# KiCad board SimulTypeUltra.kicad_pcb (continued)
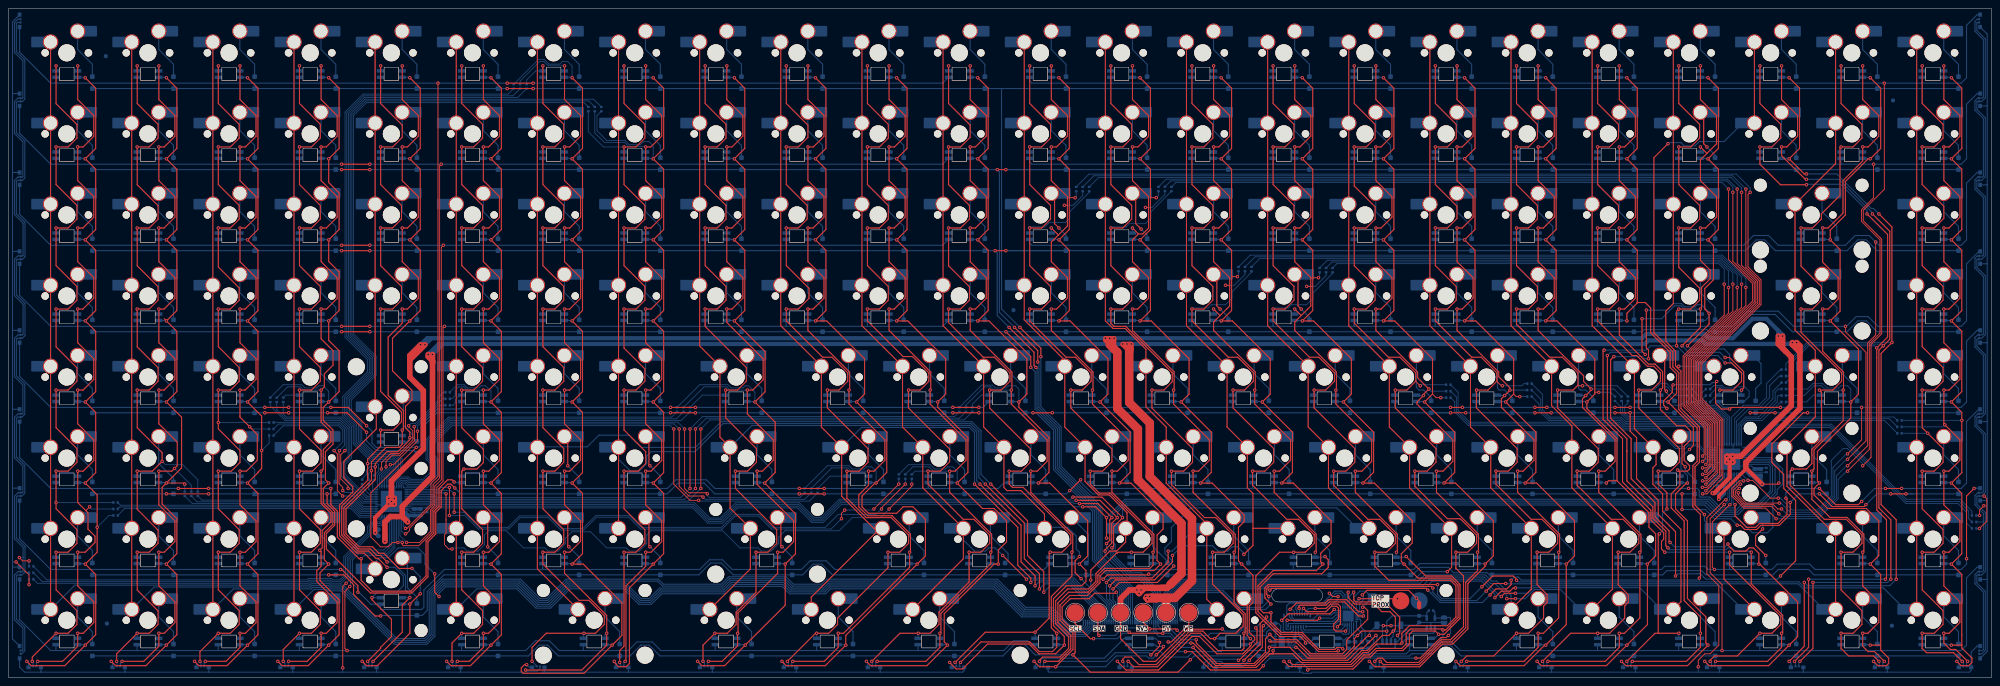
[diagram p0: board, top side]
## Placement (name value [footprint] x y rotation side) (continued)
LED206  ASMB-MTB1-0A3A2  [RGBSIDELENS]  321.43 1.94 0 bottom
LED207  ASMB-MTB1-0A3A2  [RGBSIDELENS]  341.13 1.94 0 bottom
LED208  ASMB-MTB1-0A3A2  [RGBSIDELENS]  360.83 1.94 0 bottom
LED209  ASMB-MTB1-0A3A2  [RGBSIDELENS]  380.54 1.94 0 bottom
LED210  ASMB-MTB1-0A3A2  [RGBSIDELENS]  400.24 1.94 0 bottom
LED211  ASMB-MTB1-0A3A2  [RGBSIDELENS]  419.95 1.94 0 bottom
LED212  ASMB-MTB1-0A3A2  [RGBSIDELENS]  439.65 1.94 0 bottom
LED213  ASMB-MTB1-0A3A2  [RGBSIDELENS]  459.36 1.94 0 bottom
LED214  ASMB-MTB1-0A3A2  [RGBSIDELENS]  463.36 5.94 90 bottom
LED215  ASMB-MTB1-0A3A2  [RGBSIDELENS]  463.36 24.49 90 bottom
LED216  ASMB-MTB1-0A3A2  [RGBSIDELENS]  463.36 43.04 90 bottom
LED217  ASMB-MTB1-0A3A2  [RGBSIDELENS]  463.36 61.59 90 bottom
LED218  ASMB-MTB1-0A3A2  [RGBSIDELENS]  463.36 80.13 90 bottom
LED219  ASMB-MTB1-0A3A2  [RGBSIDELENS]  463.36 98.68 90 bottom
LED220  ASMB-MTB1-0A3A2  [RGBSIDELENS]  463.36 117.23 90 bottom
LED221  ASMB-MTB1-0A3A2  [RGBSIDELENS]  463.36 135.78 90 bottom
LED222  ASMB-MTB1-0A3A2  [RGBSIDELENS]  463.36 154.33 90 bottom
R1  51  [R_0402_1005Metric]  5.32 23.09 0 bottom
R2  51  [R_0402_1005Metric]  25.13 38.08 0 bottom
R3  51  [R_0402_1005Metric]  41.39 43.16 270 bottom
R4  51  [R_0402_1005Metric]  61.71 56.88 0 bottom
R5  51  [R_0402_1005Metric]  61.46 65.26 270 bottom
R6  51  [R_0402_1005Metric]  83.05 45.95 270 bottom
R7  51  [R_0402_1005Metric]  103.11 67.04 180 bottom
R8  51  [R_0402_1005Metric]  118.61 138.92 270 bottom
R9  51  [R_0402_1005Metric]  139.18 133.59 90 bottom
R10  51  [R_0402_1005Metric]  156.96 62.97 270 bottom
R11  51  [R_0402_1005Metric]  186.93 43.92 270 bottom
R12  51  [R_0402_1005Metric]  209.03 47.22 270 bottom
R13  51  [R_0402_1005Metric]  223.25 62.97 270 bottom
R14  51  [R_0402_1005Metric]  250.69 114.79 90 bottom
R15  51  [R_0402_1005Metric]  269.99 114.79 90 bottom
R16  51  [R_0402_1005Metric]  288.79 95.99 90 bottom
R17  51  [R_0402_1005Metric]  307.84 95.74 90 bottom
R18  51  [R_0402_1005Metric]  338.06 65.77 0 bottom
R19  51  [R_0402_1005Metric]  357.11 66.02 0 bottom
R20  51  [R_0402_1005Metric]  377.18 65.51 270 bottom
R21  51  [R_0402_1005Metric]  394.7 64.75 0 bottom
R22  51  [R_0402_1005Metric]  399.02 67.8 180 bottom
R23  51  [R_0402_1005Metric]  416.8 72.37 180 bottom
R24  51  [R_0402_1005Metric]  416.8 67.8 180 bottom
R25  51  [R_0402_1005Metric]  443.98 60.43 180 bottom
R26  51  [R_0402_1005Metric]  461.5 38.08 180 bottom
R27  20  [R_0402_1005Metric]  5.32 24.62 0 bottom
R28  20  [R_0402_1005Metric]  25.13 39.6 0 bottom
R29  20  [R_0402_1005Metric]  42.91 43.16 270 bottom
R30  20  [R_0402_1005Metric]  61.71 58.4 0 bottom
R31  20  [R_0402_1005Metric]  62.98 65.26 270 bottom
R32  20  [R_0402_1005Metric]  84.57 45.95 270 bottom
R33  20  [R_0402_1005Metric]  103.11 65.51 180 bottom
R34  20  [R_0402_1005Metric]  120.13 138.92 270 bottom
R35  20  [R_0402_1005Metric]  137.66 133.59 90 bottom
R36  20  [R_0402_1005Metric]  158.48 62.97 270 bottom
R37  20  [R_0402_1005Metric]  188.46 43.92 270 bottom
R38  20  [R_0402_1005Metric]  210.55 47.22 270 bottom
R39  20  [R_0402_1005Metric]  224.78 62.97 270 bottom
R40  20  [R_0402_1005Metric]  252.21 114.79 90 bottom
R41  20  [R_0402_1005Metric]  271.51 114.83 90 bottom
R42  20  [R_0402_1005Metric]  290.31 95.99 90 bottom
R43  20  [R_0402_1005Metric]  309.36 95.74 90 bottom
R44  20  [R_0402_1005Metric]  338.06 67.29 0 bottom
R45  20  [R_0402_1005Metric]  357.11 67.54 0 bottom
R46  20  [R_0402_1005Metric]  378.7 65.51 270 bottom
R47  20  [R_0402_1005Metric]  394.7 66.27 0 bottom
R48  20  [R_0402_1005Metric]  399.02 66.27 180 bottom
R49  20  [R_0402_1005Metric]  416.8 70.85 180 bottom
R50  20  [R_0402_1005Metric]  416.8 66.27 180 bottom
R51  20  [R_0402_1005Metric]  443.98 58.91 180 bottom
R52  20  [R_0402_1005Metric]  461.5 36.56 180 bottom
R53  20  [R_0402_1005Metric]  5.32 26.14 0 bottom
R54  20  [R_0402_1005Metric]  25.13 41.13 0 bottom
R55  20  [R_0402_1005Metric]  44.44 43.16 270 bottom
R56  20  [R_0402_1005Metric]  61.71 59.92 0 bottom
R57  20  [R_0402_1005Metric]  64.5 65.26 270 bottom
R58  20  [R_0402_1005Metric]  85.84 46.97 270 bottom
R59  20  [R_0402_1005Metric]  103.11 63.99 180 bottom
R60  20  [R_0402_1005Metric]  121.65 138.92 270 bottom
R61  20  [R_0402_1005Metric]  136.13 133.59 90 bottom
R62  20  [R_0402_1005Metric]  160.01 62.97 270 bottom
R63  20  [R_0402_1005Metric]  189.98 43.92 270 bottom
R64  20  [R_0402_1005Metric]  212.08 47.22 270 bottom
R65  20  [R_0402_1005Metric]  226.3 62.97 270 bottom
R66  20  [R_0402_1005Metric]  253.73 114.79 90 bottom
R67  20  [R_0402_1005Metric]  273.04 114.79 90 bottom
R68  20  [R_0402_1005Metric]  291.83 95.99 90 bottom
R69  20  [R_0402_1005Metric]  310.88 95.74 90 bottom
R70  20  [R_0402_1005Metric]  338.06 68.81 0 bottom
R71  20  [R_0402_1005Metric]  357.11 69.07 0 bottom
R72  20  [R_0402_1005Metric]  380.23 65.51 270 bottom
R73  20  [R_0402_1005Metric]  394.7 67.8 0 bottom
R74  20  [R_0402_1005Metric]  399.02 64.75 180 bottom
R75  20  [R_0402_1005Metric]  416.8 69.32 180 bottom
R76  20  [R_0402_1005Metric]  416.8 64.75 180 bottom
R77  20  [R_0402_1005Metric]  443.98 57.38 180 bottom
R78  20  [R_0402_1005Metric]  461.51 35.03 180 bottom
R100  10k  [R_0402_1005Metric]  334 15.73 0 bottom
R101  10k  [R_0402_1005Metric]  98.29 39.35 270 bottom
R102  10k  [R_0402_1005Metric]  412.74 48.75 90 bottom
SW1  SW_Push  [SW_Hotswap_Kailh_MX_Plated_1.00uNOSILKTOP]  13.68 146.81 0 top
SW2  SW_Push  [SW_Hotswap_Kailh_MX_Plated_1.00uNOSILKTOP]  32.73 146.81 0 top
SW3  SW_Push  [SW_Hotswap_Kailh_MX_Plated_1.00uNOSILKTOP]  51.78 146.81 0 top
SW4  SW_Push  [SW_Hotswap_Kailh_MX_Plated_1.00uNOSILKTOP]  70.83 146.81 0 top
SW5  SW_Push  [SW_Hotswap_Kailh_MX_Plated_1.00uNOSILKTOP]  89.88 146.81 0 top
SW6  SW_Push  [SW_Hotswap_Kailh_MX_Plated_1.00uNOSILKTOP]  108.93 146.81 0 top
SW7  SW_Push  [SW_Hotswap_Kailh_MX_Plated_1.00uNOSILKTOP]  127.98 146.81 0 top
SW8  SW_Push  [SW_Hotswap_Kailh_MX_Plated_1.00uNOSILKTOP]  147.03 146.81 0 top
SW9  SW_Push  [SW_Hotswap_Kailh_MX_Plated_1.00uNOSILKTOP]  166.08 146.81 0 top
SW10  SW_Push  [SW_Hotswap_Kailh_MX_Plated_1.00uNOSILKTOP]  185.13 146.81 0 top
SW11  SW_Push  [SW_Hotswap_Kailh_MX_Plated_1.00uNOSILKTOP]  204.18 146.81 0 top
SW12  SW_Push  [SW_Hotswap_Kailh_MX_Plated_1.00uNOSILKTOP]  223.23 146.81 0 top
SW13  SW_Push  [SW_Hotswap_Kailh_MX_Plated_1.00uNOSILKTOP]  242.28 146.81 0 top
SW14  SW_Push  [SW_Hotswap_Kailh_MX_Plated_1.00uNOSILKTOP]  261.33 146.81 0 top
SW15  SW_Push  [SW_Hotswap_Kailh_MX_Plated_1.00uNOSILKTOP]  280.38 146.81 0 top
SW16  SW_Push  [SW_Hotswap_Kailh_MX_Plated_1.00uNOSILKTOP]  299.43 146.81 0 top
SW17  SW_Push  [SW_Hotswap_Kailh_MX_Plated_1.00uNOSILKTOP]  318.48 146.81 0 top
SW18  SW_Push  [SW_Hotswap_Kailh_MX_Plated_1.00uNOSILKTOP]  337.53 146.81 0 top
SW19  SW_Push  [SW_Hotswap_Kailh_MX_Plated_1.00uNOSILKTOP]  356.58 146.81 0 top
SW20  SW_Push  [SW_Hotswap_Kailh_MX_Plated_1.00uNOSILKTOP]  375.63 146.81 0 top
SW21  SW_Push  [SW_Hotswap_Kailh_MX_Plated_1.00uNOSILKTOP]  394.68 146.81 0 top
SW22  SW_Push  [SW_Hotswap_Kailh_MX_Plated_1.00uNOSILKTOP]  413.73 146.81 0 top
SW23  SW_Push  [SW_Hotswap_Kailh_MX_Plated_1.00uNOSILKTOP]  432.78 146.81 0 top
SW24  SW_Push  [SW_Hotswap_Kailh_MX_Plated_1.00uNOSILKTOP]  451.83 146.81 0 top
SW25  SW_Push  [SW_Hotswap_Kailh_MX_Plated_1.00uNOSILKTOP]  13.68 127.76 0 top
SW26  SW_Push  [SW_Hotswap_Kailh_MX_Plated_1.00uNOSILKTOP]  32.73 127.76 0 top
SW27  SW_Push  [SW_Hotswap_Kailh_MX_Plated_1.00uNOSILKTOP]  51.78 127.76 0 top
SW28  SW_Push  [SW_Hotswap_Kailh_MX_Plated_1.00uNOSILKTOP]  70.83 127.76 0 top
SW29  SW_Push  [SW_Hotswap_Kailh_MX_Plated_1.00uNOSILKTOP]  89.88 127.76 0 top
SW30  SW_Push  [SW_Hotswap_Kailh_MX_Plated_1.00uNOSILKTOP]  108.93 127.76 0 top
SW31  SW_Push  [SW_Hotswap_Kailh_MX_Plated_1.00uNOSILKTOP]  127.98 127.76 0 top
SW32  SW_Push  [SW_Hotswap_Kailh_MX_Plated_1.00uNOSILKTOP]  147.03 127.76 0 top
SW33  SW_Push  [SW_Hotswap_Kailh_MX_Plated_1.00uNOSILKTOP]  166.08 127.76 0 top
SW34  SW_Push  [SW_Hotswap_Kailh_MX_Plated_1.00uNOSILKTOP]  185.13 127.76 0 top
SW35  SW_Push  [SW_Hotswap_Kailh_MX_Plated_1.00uNOSILKTOP]  204.18 127.76 0 top
SW36  SW_Push  [SW_Hotswap_Kailh_MX_Plated_1.00uNOSILKTOP]  223.23 127.76 0 top
SW37  SW_Push  [SW_Hotswap_Kailh_MX_Plated_1.00uNOSILKTOP]  242.28 127.76 0 top
SW38  SW_Push  [SW_Hotswap_Kailh_MX_Plated_1.00uNOSILKTOP]  261.33 127.76 0 top
SW39  SW_Push  [SW_Hotswap_Kailh_MX_Plated_1.00uNOSILKTOP]  280.38 127.76 0 top
SW40  SW_Push  [SW_Hotswap_Kailh_MX_Plated_1.00uNOSILKTOP]  299.43 127.76 0 top
SW41  SW_Push  [SW_Hotswap_Kailh_MX_Plated_1.00uNOSILKTOP]  318.48 127.76 0 top
SW42  SW_Push  [SW_Hotswap_Kailh_MX_Plated_1.00uNOSILKTOP]  337.53 127.76 0 top
SW43  SW_Push  [SW_Hotswap_Kailh_MX_Plated_1.00uNOSILKTOP]  356.58 127.76 0 top
SW44  SW_Push  [SW_Hotswap_Kailh_MX_Plated_1.00uNOSILKTOP]  375.63 127.76 0 top
SW45  SW_Push  [SW_Hotswap_Kailh_MX_Plated_1.00uNOSILKTOP]  394.68 127.76 0 top
SW46  SW_Push  [SW_Hotswap_Kailh_MX_Plated_1.00uNOSILKTOP]  413.73 127.76 0 top
SW47  SW_Push  [SW_Hotswap_Kailh_MX_Plated_1.00uNOSILKTOP]  432.78 127.76 0 top
SW48  SW_Push  [SW_Hotswap_Kailh_MX_Plated_1.00uNOSILKTOP]  451.83 127.76 0 top
SW49  SW_Push  [SW_Hotswap_Kailh_MX_Plated_1.00uNOSILKTOP]  13.68 108.71 0 top
SW50  SW_Push  [SW_Hotswap_Kailh_MX_Plated_1.00uNOSILKTOP]  32.73 108.71 0 top
SW51  SW_Push  [SW_Hotswap_Kailh_MX_Plated_1.00uNOSILKTOP]  51.78 108.71 0 top
SW52  SW_Push  [SW_Hotswap_Kailh_MX_Plated_1.00uNOSILKTOP]  70.83 108.71 0 top
SW53  SW_Push  [SW_Hotswap_Kailh_MX_Plated_1.00uNOSILKTOP]  89.88 108.71 0 top
SW54  SW_Push  [SW_Hotswap_Kailh_MX_Plated_1.00uNOSILKTOP]  108.93 108.71 0 top
SW55  SW_Push  [SW_Hotswap_Kailh_MX_Plated_1.00uNOSILKTOP]  127.98 108.71 0 top
SW56  SW_Push  [SW_Hotswap_Kailh_MX_Plated_1.00uNOSILKTOP]  147.03 108.71 0 top
SW57  SW_Push  [SW_Hotswap_Kailh_MX_Plated_1.00uNOSILKTOP]  166.08 108.71 0 top
SW58  SW_Push  [SW_Hotswap_Kailh_MX_Plated_1.00uNOSILKTOP]  185.13 108.71 0 top
SW59  SW_Push  [SW_Hotswap_Kailh_MX_Plated_1.00uNOSILKTOP]  204.18 108.71 0 top
SW60  SW_Push  [SW_Hotswap_Kailh_MX_Plated_1.00uNOSILKTOP]  223.23 108.71 0 top
SW61  SW_Push  [SW_Hotswap_Kailh_MX_Plated_1.00uNOSILKTOP]  242.28 108.71 0 top
SW62  SW_Push  [SW_Hotswap_Kailh_MX_Plated_1.00uNOSILKTOP]  261.33 108.71 0 top
SW63  SW_Push  [SW_Hotswap_Kailh_MX_Plated_1.00uNOSILKTOP]  280.38 108.71 0 top
SW64  SW_Push  [SW_Hotswap_Kailh_MX_Plated_1.00uNOSILKTOP]  299.43 108.71 0 top
SW65  SW_Push  [SW_Hotswap_Kailh_MX_Plated_1.00uNOSILKTOP]  318.48 108.71 0 top
SW66  SW_Push  [SW_Hotswap_Kailh_MX_Plated_1.00uNOSILKTOP]  337.53 108.71 0 top
SW67  SW_Push  [SW_Hotswap_Kailh_MX_Plated_1.00uNOSILKTOP]  356.58 108.71 0 top
SW68  SW_Push  [SW_Hotswap_Kailh_MX_Plated_1.00uNOSILKTOP]  375.63 108.71 0 top
SW69  SW_Push  [SW_Hotswap_Kailh_MX_Plated_1.00uNOSILKTOP]  394.68 108.71 0 top
SW70  SW_Push  [SW_Hotswap_Kailh_MX_Plated_1.00uNOSILKTOP]  423.26 108.71 0 top
SW71  SW_Push  [SW_Hotswap_Kailh_MX_Plated_1.00uNOSILKTOP]  451.83 108.71 0 top
SW72  SW_Push  [SW_Hotswap_Kailh_MX_Plated_1.00uNOSILKTOP]  13.68 89.66 0 top
SW73  SW_Push  [SW_Hotswap_Kailh_MX_Plated_1.00uNOSILKTOP]  32.73 89.66 0 top
SW74  SW_Push  [SW_Hotswap_Kailh_MX_Plated_1.00uNOSILKTOP]  51.78 89.66 0 top
SW75  SW_Push  [SW_Hotswap_Kailh_MX_Plated_1.00uNOSILKTOP]  70.83 89.66 0 top
SW76  SW_Push  [SW_Hotswap_Kailh_MX_Plated_1.00uNOSILKTOP]  89.88 89.66 0 top
SW77  SW_Push  [SW_Hotswap_Kailh_MX_Plated_1.00uNOSILKTOP]  108.93 89.66 0 top
SW78  SW_Push  [SW_Hotswap_Kailh_MX_Plated_1.00uNOSILKTOP]  127.98 89.66 0 top
SW79  SW_Push  [SW_Hotswap_Kailh_MX_Plated_1.00uNOSILKTOP]  147.03 89.66 0 top
SW80  SW_Push  [SW_Hotswap_Kailh_MX_Plated_1.00uNOSILKTOP]  166.08 89.66 0 top
SW81  SW_Push  [SW_Hotswap_Kailh_MX_Plated_1.00uNOSILKTOP]  185.13 89.66 0 top
SW82  SW_Push  [SW_Hotswap_Kailh_MX_Plated_1.00uNOSILKTOP]  204.18 89.66 0 top
SW83  SW_Push  [SW_Hotswap_Kailh_MX_Plated_1.00uNOSILKTOP]  223.23 89.66 0 top
SW84  SW_Push  [SW_Hotswap_Kailh_MX_Plated_1.00uNOSILKTOP]  242.28 89.66 0 top
SW85  SW_Push  [SW_Hotswap_Kailh_MX_Plated_1.00uNOSILKTOP]  261.33 89.66 0 top
SW86  SW_Push  [SW_Hotswap_Kailh_MX_Plated_1.00uNOSILKTOP]  280.38 89.66 0 top
SW87  SW_Push  [SW_Hotswap_Kailh_MX_Plated_1.00uNOSILKTOP]  299.43 89.66 0 top
SW88  SW_Push  [SW_Hotswap_Kailh_MX_Plated_1.00uNOSILKTOP]  318.48 89.66 0 top
SW89  SW_Push  [SW_Hotswap_Kailh_MX_Plated_1.00uNOSILKTOP]  337.53 89.66 0 top
SW90  SW_Push  [SW_Hotswap_Kailh_MX_Plated_1.00uNOSILKTOP]  356.58 89.66 0 top
SW91  SW_Push  [SW_Hotswap_Kailh_MX_Plated_1.00uNOSILKTOP]  375.63 89.66 0 top
SW92  SW_Push  [SW_Hotswap_Kailh_MX_Plated_1.00uNOSILKTOP]  394.68 89.66 0 top
SW93  SW_Push  [SW_Hotswap_Kailh_MX_Plated_1.00uNOSILKTOP]  423.26 89.66 0 top
SW94  SW_Push  [SW_Hotswap_Kailh_MX_Plated_1.00uNOSILKTOP]  451.83 89.66 0 top
SW95  SW_Push  [SW_Hotswap_Kailh_MX_Plated_1.00uNOSILKTOP]  13.68 70.61 0 top
SW96  SW_Push  [SW_Hotswap_Kailh_MX_Plated_1.00uNOSILKTOP]  32.73 70.61 0 top
SW97  SW_Push  [SW_Hotswap_Kailh_MX_Plated_1.00uNOSILKTOP]  51.78 70.61 0 top
SW98  SW_Push  [SW_Hotswap_Kailh_MX_Plated_1.00uNOSILKTOP]  70.83 70.61 0 top
SW99  SW_Push  [SW_Hotswap_Kailh_MX_Plated_1.00uNOSILKTOP]  89.88 61.09 0 top
SW100  SW_Push  [SW_Hotswap_Kailh_MX_Plated_1.00uNOSILKTOP]  108.93 70.61 0 top
SW101  SW_Push  [SW_Hotswap_Kailh_MX_Plated_1.00uNOSILKTOP]  127.98 70.61 0 top
SW102  SW_Push  [SW_Hotswap_Kailh_MX_Plated_1.00uNOSILKTOP]  147.03 70.61 0 top
SW103  SW_Push  [SW_Hotswap_Kailh_MX_Plated_1.00uNOSILKTOP]  170.85 70.61 0 top
SW104  SW_Push  [SW_Hotswap_Kailh_MX_Plated_1.00uNOSILKTOP]  194.66 70.61 0 top
SW105  SW_Push  [SW_Hotswap_Kailh_MX_Plated_1.00uNOSILKTOP]  213.71 70.61 0 top
SW106  SW_Push  [SW_Hotswap_Kailh_MX_Plated_1.00uNOSILKTOP]  232.76 70.61 0 top
SW107  SW_Push  [SW_Hotswap_Kailh_MX_Plated_1.00uNOSILKTOP]  251.81 70.61 0 top
SW108  SW_Push  [SW_Hotswap_Kailh_MX_Plated_1.00uNOSILKTOP]  270.86 70.61 0 top
SW109  SW_Push  [SW_Hotswap_Kailh_MX_Plated_1.00uNOSILKTOP]  289.91 70.61 0 top
SW110  SW_Push  [SW_Hotswap_Kailh_MX_Plated_1.00uNOSILKTOP]  308.96 70.61 0 top
SW111  SW_Push  [SW_Hotswap_Kailh_MX_Plated_1.00uNOSILKTOP]  328.01 70.61 0 top
SW112  SW_Push  [SW_Hotswap_Kailh_MX_Plated_1.00uNOSILKTOP]  347.06 70.61 0 top
SW113  SW_Push  [SW_Hotswap_Kailh_MX_Plated_1.00uNOSILKTOP]  366.11 70.61 0 top
SW114  SW_Push  [SW_Hotswap_Kailh_MX_Plated_1.00uNOSILKTOP]  385.16 70.61 0 top
SW115  SW_Push  [SW_Hotswap_Kailh_MX_Plated_1.00uNOSILKTOP]  404.21 70.61 0 top
SW116  SW_Push  [SW_Hotswap_Kailh_MX_Plated_1.00uNOSILKTOP]  428.02 70.61 0 top
SW117  SW_Push  [SW_Hotswap_Kailh_MX_Plated_1.00uNOSILKTOP]  451.83 70.61 0 top
SW118  SW_Push  [SW_Hotswap_Kailh_MX_Plated_1.00uNOSILKTOP]  13.68 51.56 0 top
SW119  SW_Push  [SW_Hotswap_Kailh_MX_Plated_1.00uNOSILKTOP]  32.73 51.56 0 top
SW120  SW_Push  [SW_Hotswap_Kailh_MX_Plated_1.00uNOSILKTOP]  51.78 51.56 0 top
SW121  SW_Push  [SW_Hotswap_Kailh_MX_Plated_1.00uNOSILKTOP]  70.83 51.56 0 top
SW122  SW_Push  [SW_Hotswap_Kailh_MX_Plated_1.00uNOSILKTOP]  108.93 51.56 0 top
SW123  SW_Push  [SW_Hotswap_Kailh_MX_Plated_1.00uNOSILKTOP]  127.98 51.56 0 top
SW124  SW_Push  [SW_Hotswap_Kailh_MX_Plated_1.00uNOSILKTOP]  147.03 51.56 0 top
SW125  SW_Push  [SW_Hotswap_Kailh_MX_Plated_1.00uNOSILKTOP]  173.23 51.56 0 top
SW126  SW_Push  [SW_Hotswap_Kailh_MX_Plated_1.00uNOSILKTOP]  199.42 51.56 0 top
SW127  SW_Push  [SW_Hotswap_Kailh_MX_Plated_1.00uNOSILKTOP]  218.47 51.56 0 top
SW128  SW_Push  [SW_Hotswap_Kailh_MX_Plated_1.00uNOSILKTOP]  237.52 51.56 0 top
SW129  SW_Push  [SW_Hotswap_Kailh_MX_Plated_1.00uNOSILKTOP]  256.57 51.56 0 top
SW130  SW_Push  [SW_Hotswap_Kailh_MX_Plated_1.00uNOSILKTOP]  275.62 51.56 0 top
SW131  SW_Push  [SW_Hotswap_Kailh_MX_Plated_1.00uNOSILKTOP]  294.67 51.56 0 top
SW132  SW_Push  [SW_Hotswap_Kailh_MX_Plated_1.00uNOSILKTOP]  313.72 51.56 0 top
SW133  SW_Push  [SW_Hotswap_Kailh_MX_Plated_1.00uNOSILKTOP]  332.77 51.56 0 top
SW134  SW_Push  [SW_Hotswap_Kailh_MX_Plated_1.00uNOSILKTOP]  351.82 51.56 0 top
SW135  SW_Push  [SW_Hotswap_Kailh_MX_Plated_1.00uNOSILKTOP]  370.87 51.56 0 top
SW136  SW_Push  [SW_Hotswap_Kailh_MX_Plated_1.00uNOSILKTOP]  389.92 51.56 0 top
SW137  SW_Push  [SW_Hotswap_Kailh_MX_Plated_1.00uNOSILKTOP]  420.88 51.56 0 top
SW138  SW_Push  [SW_Hotswap_Kailh_MX_Plated_1.00uNOSILKTOP]  451.83 51.56 0 top
SW139  SW_Push  [SW_Hotswap_Kailh_MX_Plated_1.00uNOSILKTOP]  13.68 32.51 0 top
SW140  SW_Push  [SW_Hotswap_Kailh_MX_Plated_1.00uNOSILKTOP]  32.73 32.51 0 top
SW141  SW_Push  [SW_Hotswap_Kailh_MX_Plated_1.00uNOSILKTOP]  51.78 32.51 0 top
SW142  SW_Push  [SW_Hotswap_Kailh_MX_Plated_1.00uNOSILKTOP]  70.83 32.51 0 top
SW143  SW_Push  [SW_Hotswap_Kailh_MX_Plated_1.00uNOSILKTOP]  89.88 22.99 0 top
SW144  SW_Push  [SW_Hotswap_Kailh_MX_Plated_1.00uNOSILKTOP]  108.93 32.51 0 top
SW145  SW_Push  [SW_Hotswap_Kailh_MX_Plated_1.00uNOSILKTOP]  127.98 32.51 0 top
SW146  SW_Push  [SW_Hotswap_Kailh_MX_Plated_1.00uNOSILKTOP]  147.03 32.51 0 top
SW147  SW_Push  [SW_Hotswap_Kailh_MX_Plated_1.00uNOSILKTOP]  177.99 32.51 0 top
SW148  SW_Push  [SW_Hotswap_Kailh_MX_Plated_1.00uNOSILKTOP]  208.95 32.51 0 top
SW149  SW_Push  [SW_Hotswap_Kailh_MX_Plated_1.00uNOSILKTOP]  228 32.51 0 top
SW150  SW_Push  [SW_Hotswap_Kailh_MX_Plated_1.00uNOSILKTOP]  247.05 32.51 0 top
SW151  SW_Push  [SW_Hotswap_Kailh_MX_Plated_1.00uNOSILKTOP]  266.1 32.51 0 top
SW152  SW_Push  [SW_Hotswap_Kailh_MX_Plated_1.00uNOSILKTOP]  285.15 32.51 0 top
SW153  SW_Push  [SW_Hotswap_Kailh_MX_Plated_1.00uNOSILKTOP]  304.2 32.51 0 top
SW154  SW_Push  [SW_Hotswap_Kailh_MX_Plated_1.00uNOSILKTOP]  323.25 32.51 0 top
SW155  SW_Push  [SW_Hotswap_Kailh_MX_Plated_1.00uNOSILKTOP]  342.3 32.51 0 top
SW156  SW_Push  [SW_Hotswap_Kailh_MX_Plated_1.00uNOSILKTOP]  361.35 32.51 0 top
SW157  SW_Push  [SW_Hotswap_Kailh_MX_Plated_1.00uNOSILKTOP]  380.4 32.51 0 top
SW158  SW_Push  [SW_Hotswap_Kailh_MX_Plated_1.00uNOSILKTOP]  406.59 32.51 0 top
SW159  SW_Push  [SW_Hotswap_Kailh_MX_Plated_1.00uNOSILKTOP]  432.78 32.51 0 top
SW160  SW_Push  [SW_Hotswap_Kailh_MX_Plated_1.00uNOSILKTOP]  451.83 32.51 0 top
SW161  SW_Push  [SW_Hotswap_Kailh_MX_Plated_1.00uNOSILKTOP]  13.68 13.46 0 top
SW162  SW_Push  [SW_Hotswap_Kailh_MX_Plated_1.00uNOSILKTOP]  32.73 13.46 0 top
SW163  SW_Push  [SW_Hotswap_Kailh_MX_Plated_1.00uNOSILKTOP]  51.78 13.46 0 top
SW164  SW_Push  [SW_Hotswap_Kailh_MX_Plated_1.00uNOSILKTOP]  70.83 13.46 0 top
SW165  SW_Push  [SW_Hotswap_Kailh_MX_Plated_1.00uNOSILKTOP]  108.93 13.46 0 top
SW166  SW_Push  [SW_Hotswap_Kailh_MX_Plated_1.00uNOSILKTOP]  137.51 13.46 0 top
SW167  SW_Push  [SW_Hotswap_Kailh_MX_Plated_1.00uNOSILKTOP]  168.47 13.46 0 top
SW168  SW_Push  [SW_Hotswap_Kailh_MX_Plated_1.00uNOSILKTOP]  192.28 13.46 0 top
SW169  SW_Push  [SW_Hotswap_Kailh_MX_Plated_1.00uNOSILKTOP]  216.09 13.46 0 top
SW170  SW_Push  [SW_Hotswap_Kailh_MX_Plated_1.00uNOSILKTOP]  287.53 13.46 0 top
SW171  SW_Push  [SW_Hotswap_Kailh_MX_Plated_1.00uNOSILKTOP]  356.58 13.46 0 top
SW172  SW_Push  [SW_Hotswap_Kailh_MX_Plated_1.00uNOSILKTOP]  375.63 13.46 0 top
SW173  SW_Push  [SW_Hotswap_Kailh_MX_Plated_1.00uNOSILKTOP]  394.68 13.46 0 top
SW174  SW_Push  [SW_Hotswap_Kailh_MX_Plated_1.00uNOSILKTOP]  413.73 13.46 0 top
SW175  SW_Push  [SW_Hotswap_Kailh_MX_Plated_1.00uNOSILKTOP]  432.78 13.46 0 top
SW176  SW_Push  [SW_Hotswap_Kailh_MX_Plated_1.00uNOSILKTOP]  451.83 13.46 0 top
TP1  TestPoint  [TestPoint_Pad_D4.0mm]  271.77 15.22 180 top  (not fitted)
TP2  TestPoint  [TestPoint_Pad_D4.0mm]  266.43 15.22 180 top  (not fitted)
TP3  TestPoint  [TestPoint_Pad_D4.0mm]  250.43 15.22 180 top  (not fitted)
TP4  TestPoint  [TestPoint_Pad_D4.0mm]  255.77 15.22 180 top  (not fitted)
TP5  TestPoint  [TestPoint_Pad_D4.0mm]  277.1 15.22 180 top  (not fitted)
TP6  TestPoint  [TestPoint_Pad_D4.0mm]  261.1 15.22 180 top  (not fitted)
TP7  TestPoint  [TestPoint_Pad_2.0x2.0mm]  320.14 18.78 180 bottom  (not fitted)
U1  ST25DV  [DFN-12-1EP_3x3mm_P0.5mm_EP1.4x2.55mm]  298.95 8.36 180 bottom
U2  CY8CMBR3106S  [QFN-24-1EP_4x4mm_P0.5mm_EP2.6x2.6mm]  314.55 14.46 180 bottom
U3  24AA02-OT  [SOT-23-5]  333.93 12.83 90 bottom
U4  IS31FL3741  [QFN-60-1EP_7x7mm_P0.4mm_EP5x5mm]  89.9 41.38 180 bottom
U5  IS31FL3741  [QFN-60-1EP_7x7mm_P0.4mm_EP5x5mm]  404.1 51.29 180 bottom

## Library data of the parts
C1 = -: LCSC: C16033; ki_fp_filters: C_*
C2 = -: LCSC: C1673; ki_fp_filters: C_*
C3 C6 C8 C11 C13-C15 = -: LCSC: C1592; ki_fp_filters: C_*
C4 C5 C7 C9 C10 C12 = -: LCSC: C1591; ki_fp_filters: C_*
D1-D176 = -: LCSC: C2902912; Sim.Pins: 1=K 2=A; ki_fp_filters: TO-???* *_Diode_* *SingleDiode* D_*
DRA1-DRA8 = -: ki_fp_filters: DINRailAdapter?3xM3* DINRailAdapter?2xM3*
FID1-FID5 = -: ki_fp_filters: Fiducial*
J1 = -: LCSC: C2998867; ki_fp_filters: Connector*:*_1x??_*
J2 = -: LCSC: C3012329; ki_fp_filters: Connector*:*_1x??_*
J3 J4 = -: LCSC: C5143821; ki_fp_filters: Connector*:*_1x??_*
J5 = -: LCSC: C7433425; ki_fp_filters: Sensirion?DFN*1.5x1.5mm*P0.8mm*SHT4x*
JP1 = -: ki_fp_filters: SolderJumper*Open*
LED1-LED180 = -: ki_fp_filters: *Avago*PLCC4*3.2x2.8mm*
LED181-LED222 = -: Datasheet: https://datasheet.lcsc.com/lcsc/2402181506_XINGLIGHT-XL-3210RGBC-YG_C965884.pdf; LCSC: C965884; ki_fp_filters: *Avago*PLCC4*3.2x2.8mm*
R1-R26 = -: LCSC: C25125; ki_fp_filters: R_*
R27-R78 = -: LCSC: C25089; ki_fp_filters: R_*
R100-R102 = -: LCSC: C25744; ki_fp_filters: R_*
SW1-SW176 = -: Datasheet: https://datasheet.lcsc.com/lcsc/2208291600_Kailh-CPG151101S11-16_C5156480.pdf; LCSC: C5184526
TP1-TP7 = -: ki_fp_filters: Pin* Test*
U1 = -: Datasheet: https://www.st.com/resource/en/datasheet/st25dv04kc.pdf; LCSC: C2654815; ki_fp_filters: Sensirion?DFN*1.5x1.5mm*P0.8mm*SHT4x*
U2 = -: Datasheet: http://www.cypress.com/?docID=49119; LCSC: C2952476; ki_fp_filters: QFN*1EP*4x4mm*P0.5mm*
U3 = -: Datasheet: https://datasheet.lcsc.com/lcsc/2303081530_FMD-Fremont-Micro-Devices-FT24C64A-ELR-T_C5263778.pdf; LCSC: C5263778; ki_fp_filters: SOT?23*
U4 U5 = -: Datasheet: https://datasheet.lcsc.com/lcsc/2206282015_ISSI-Integrated-Silicon-Solution-IS31FL3741A-QFLS4-TR_C2940604.pdf; LCSC: C2940604; ki_fp_filters: ESP32?S2?WROVER*

## Footprints (pads in the part's own frame, mm; a bottom-side part is the same pattern mirrored in y, then rotated)
6028RGB
  rrect 1.7x0.82 smd: 1(2.55,0.75)
  rect 1.7x0.82 smd: 2(2.55,-0.75) 3(-2.55,-0.75) 4(-2.55,0.75)
C_0603_1608Metric
  rrect 0.9x0.95 smd: 1(-0.775,0) 2(0.775,0)
D_SOD-123F
  rrect 1.1x1.1 smd: 1(-1.4,0) 2(1.4,0)
DFN-12-1EP_3x3mm_P0.5mm_EP1.4x2.55mm
  rrect 1.13x2.06 smd: (0,0)
  rrect 0.725x0.25 smd: 1(-1.512,1.25) 2(-1.512,0.75) 3(-1.512,0.25) 4(-1.512,-0.25) 5(-1.512,-0.75) 6(-1.512,-1.25) 7(1.512,-1.25) 8(1.512,-0.75) 9(1.512,-0.25) 10(1.512,0.25) 11(1.512,0.75) 12(1.512,1.25)
  rect 1.4x2.55 smd: 13(0,0)
Fiducial_1mm_Mask2mm
  round 1 smd: (0,0)
JST_SH_SM04B-SRSS-TB_1x04-1MP_P1.00mm_Horizontal
  rrect 0.6x1.55 smd: 1(-1.5,2) 2(-0.5,2) 3(0.5,2) 4(1.5,2)
  rrect 1.2x1.8 smd: MP(-2.8,-1.875) MP(2.8,-1.875)
Molex_502250-1791_2Rows-17Pins-1MP_P0.60mm_Horizontal
  rect 0.8x0.26 smd: 1(-1.4,2.4) 3(-1.4,1.8) 5(-1.4,1.2) 7(-1.4,0.6) 9(-1.4,0) 11(-1.4,-0.6) 13(-1.4,-1.2) 15(-1.4,-1.8) 17(-1.4,-2.4)
  rect 0.65x0.3 smd: 2(1.475,2.1) 4(1.475,1.5) 6(1.475,0.9) 8(1.475,0.3) 10(1.475,-0.3) 12(1.475,-0.9) 14(1.475,-1.5) 16(1.475,-2.1)
  rect 0.85x0.4 smd: MP(-1.075,-3.1) MP(-1.075,3.1)
QFN-24-1EP_4x4mm_P0.5mm_EP2.6x2.6mm
  rrect 1.05x1.05 smd: (-0.65,-0.65) (-0.65,0.65) (0.65,-0.65) (0.65,0.65)
  rrect 0.825x0.25 smd: 1(-1.938,1.25) 2(-1.938,0.75) 3(-1.938,0.25) 4(-1.938,-0.25) 5(-1.938,-0.75) 6(-1.938,-1.25) 13(1.938,-1.25) 14(1.938,-0.75) 15(1.938,-0.25) 16(1.938,0.25) 17(1.938,0.75) 18(1.938,1.25)
  rrect 0.25x0.825 smd: 7(-1.25,-1.938) 8(-0.75,-1.938) 9(-0.25,-1.938) 10(0.25,-1.938) 11(0.75,-1.938) 12(1.25,-1.938) 19(1.25,1.938) 20(0.75,1.938) 21(0.25,1.938) 22(-0.25,1.938) 23(-0.75,1.938) 24(-1.25,1.938)
  rect 2.6x2.6 smd: 25(0,0)
QFN-60-1EP_7x7mm_P0.4mm_EP5x5mm
  rrect 1.07x1.07 smd: (-1.33,-1.33) (-1.33,0) (-1.33,1.33) (0,-1.33) (0,0) (0,1.33) (1.33,-1.33) (1.33,0) (1.33,1.33)
  rrect 0.8x0.2 smd: 1(-3.45,2.8) 2(-3.45,2.4) 3(-3.45,2) 4(-3.45,1.6) 5(-3.45,1.2) 6(-3.45,0.8) 7(-3.45,0.4) 8(-3.45,0) 9(-3.45,-0.4) 10(-3.45,-0.8) 11(-3.45,-1.2) 12(-3.45,-1.6) 13(-3.45,-2) 14(-3.45,-2.4) 15(-3.45,-2.8) 31(3.45,-2.8) 32(3.45,-2.4) 33(3.45,-2) 34(3.45,-1.6) 35(3.45,-1.2) 36(3.45,-0.8) 37(3.45,-0.4) 38(3.45,0) 39(3.45,0.4) 40(3.45,0.8) 41(3.45,1.2) 42(3.45,1.6) 43(3.45,2) 44(3.45,2.4) 45(3.45,2.8)
  rrect 0.2x0.8 smd: 16(-2.8,-3.45) 17(-2.4,-3.45) 18(-2,-3.45) 19(-1.6,-3.45) 20(-1.2,-3.45) 21(-0.8,-3.45) 22(-0.4,-3.45) 23(0,-3.45) 24(0.4,-3.45) 25(0.8,-3.45) 26(1.2,-3.45) 27(1.6,-3.45) 28(2,-3.45) 29(2.4,-3.45) 30(2.8,-3.45) 46(2.8,3.45) 47(2.4,3.45) 48(2,3.45) 49(1.6,3.45) 50(1.2,3.45) 51(0.8,3.45) 52(0.4,3.45) 53(0,3.45) 54(-0.4,3.45) 55(-0.8,3.45) 56(-1.2,3.45) 57(-1.6,3.45) 58(-2,3.45) 59(-2.4,3.45) 60(-2.8,3.45)
  rect 5x5 smd: EP(0,0)
R_0402_1005Metric
  rrect 0.54x0.64 smd: 1(-0.51,0) 2(0.51,0)
RGBSIDELENS
  rect 1x0.88 smd: 1(-1.455,-0.44) 4(1.455,-0.44)
  rect 0.53x0.44 smd: 2(0.39,-0.66) 3(-0.39,-0.66)
SolderJumper-2_P1.3mm_Open_RoundedPad1.0x1.5mm
  custom 1x1.5 smd: 1(-0.65,0) 2(0.65,0)
SOT-23-5
  rrect 1.325x0.6 smd: 1(-1.137,0.95) 2(-1.137,0) 3(-1.137,-0.95) 4(1.137,-0.95) 5(1.137,0.95)
Stabilizer_Cherry_MX_2.00u
  round 3.048 hole 3.048 unplated: (-11.938,6.985) (11.938,6.985)
  round 3.988 hole 3.988 unplated: (-11.938,-8.225) (11.938,-8.225)
Stabilizer_Cherry_MX_6.25u
  round 3.048 hole 3.048 unplated: (-50,6.985) (50,6.985)
  round 3.988 hole 3.988 unplated: (-50,-8.225) (50,-8.225)
SURFACESPRING_1
  round 4 smd: 1(0,0)
  oval 1x2 smd far side: 1(0,-1.016)
SW_Hotswap_Kailh_MX_Plated_1.00uNOSILKTOP
  rrect 2.55x2.5 smd: (-7.085,2.54) (5.842,5.08)
  round 1.75 hole 1.75 unplated: (-5.08,0) (5.08,0)
  round 4 hole 4 unplated: (0,0)
  rrect 3.55x2.5 smd far side: 1(-6.585,2.54) 2(5.32,5.08)
  round 3.6 hole 3.05: 1(-3.81,2.54) 2(2.54,5.08)
TE_4-1734839-5_1x45-1MP_P0.5mm_Horizontal
  rect 0.3x1.1 smd: 1(-11,1.35) 2(-10.5,1.35) 3(-10,1.35) 4(-9.5,1.35) 5(-9,1.35) 6(-8.5,1.35) 7(-8,1.35) 8(-7.5,1.35) 9(-7,1.35) 10(-6.5,1.35) 11(-6,1.35) 12(-5.5,1.35) 13(-5,1.35) 14(-4.5,1.35) 15(-4,1.35) 16(-3.5,1.35) 17(-3,1.35) 18(-2.5,1.35) 19(-2,1.35) 20(-1.5,1.35) 21(-1,1.35) 22(-0.5,1.35) 23(0,1.35) 24(0.5,1.35) 25(1,1.35) 26(1.5,1.35) 27(2,1.35) 28(2.5,1.35) 29(3,1.35) 30(3.5,1.35) 31(4,1.35) 32(4.5,1.35) 33(5,1.35) 34(5.5,1.35) 35(6,1.35) 36(6.5,1.35) 37(7,1.35) 38(7.5,1.35) 39(8,1.35) 40(8.5,1.35) 41(9,1.35) 42(9.5,1.35) 43(10,1.35) 44(10.5,1.35) 45(11,1.35)
  rect 2.3x3.1 smd: MP(-12.67,-0.35) MP(12.67,-0.35)
TestPoint_Pad_2.0x2.0mm
  rect 2x2 smd: 1(0,0)
TestPoint_Pad_D4.0mm
  round 4 smd: 1(0,0)

## Nets
+3.3V: C3.1 C4.1 C14.1 C15.1 J1.28 J5.2 R100.1 TP2.1 U1.10 U1.12 U2.7 U3.4
+5V: C6.1 C7.1 C8.1 C9.1 C10.1 C11.1 C12.1 C13.1 J1.29 J1.30 J1.31 TP1.1 U4.14 U4.15 U4.25 U5.8 U5.14 U5.15 U5.25
GND: C1.2 C3.2 C4.2 C5.1 C6.2 C7.2 C8.2 C9.2 C10.2 C11.2 C12.2 C13.2 C14.2 C15.2 J1.25 J1.26 J1.27 J5.1 J5.MP JP1.2 R101.1 R102.2 TP6.1 U1.6 U1.13 U2.8 U2.25 U3.2 U4.8 U4.12 U4.36 U4.55 U4.EP U5.12 U5.36 U5.55 U5.EP
/AC1: C2.1 J2.8 U1.4
/AC2: C2.2 J2.10 U1.5
/APACLK: J1.32
/APANEODAT: J1.33
/B1c: LED181.3 LED182.3 LED183.3 LED184.3 LED185.3 LED186.3 LED187.3 LED188.3 LED189.3 R53.1
/B2c: LED1.3 LED25.3 LED49.3 LED72.3 LED95.3 LED118.3 LED139.3 LED161.3 LED190.3 R54.1
/B3c: LED2.3 LED26.3 LED50.3 LED73.3 LED96.3 LED119.3 LED140.3 LED162.3 LED191.3 R55.1
/B4c: LED3.3 LED27.3 LED51.3 LED74.3 LED97.3 LED120.3 LED141.3 LED163.3 LED192.3 R56.1
/B5c: LED4.3 LED28.3 LED52.3 LED75.3 LED98.3 LED121.3 LED142.3 LED164.3 LED193.3 R57.1
